# Altium PCB WiCAN.PcbDoc
Units mil, origin at the board's own origin, x right, y up, seen from the top; angles counter-clockwise.
Board outline 1338.58 x 1771.65 mil, 4 copper layers (Top Layer, GND, Power, Bottom Layer), stack 61.811 mil thick; 45 components, 34 nets, 199 pads, 82 vias.
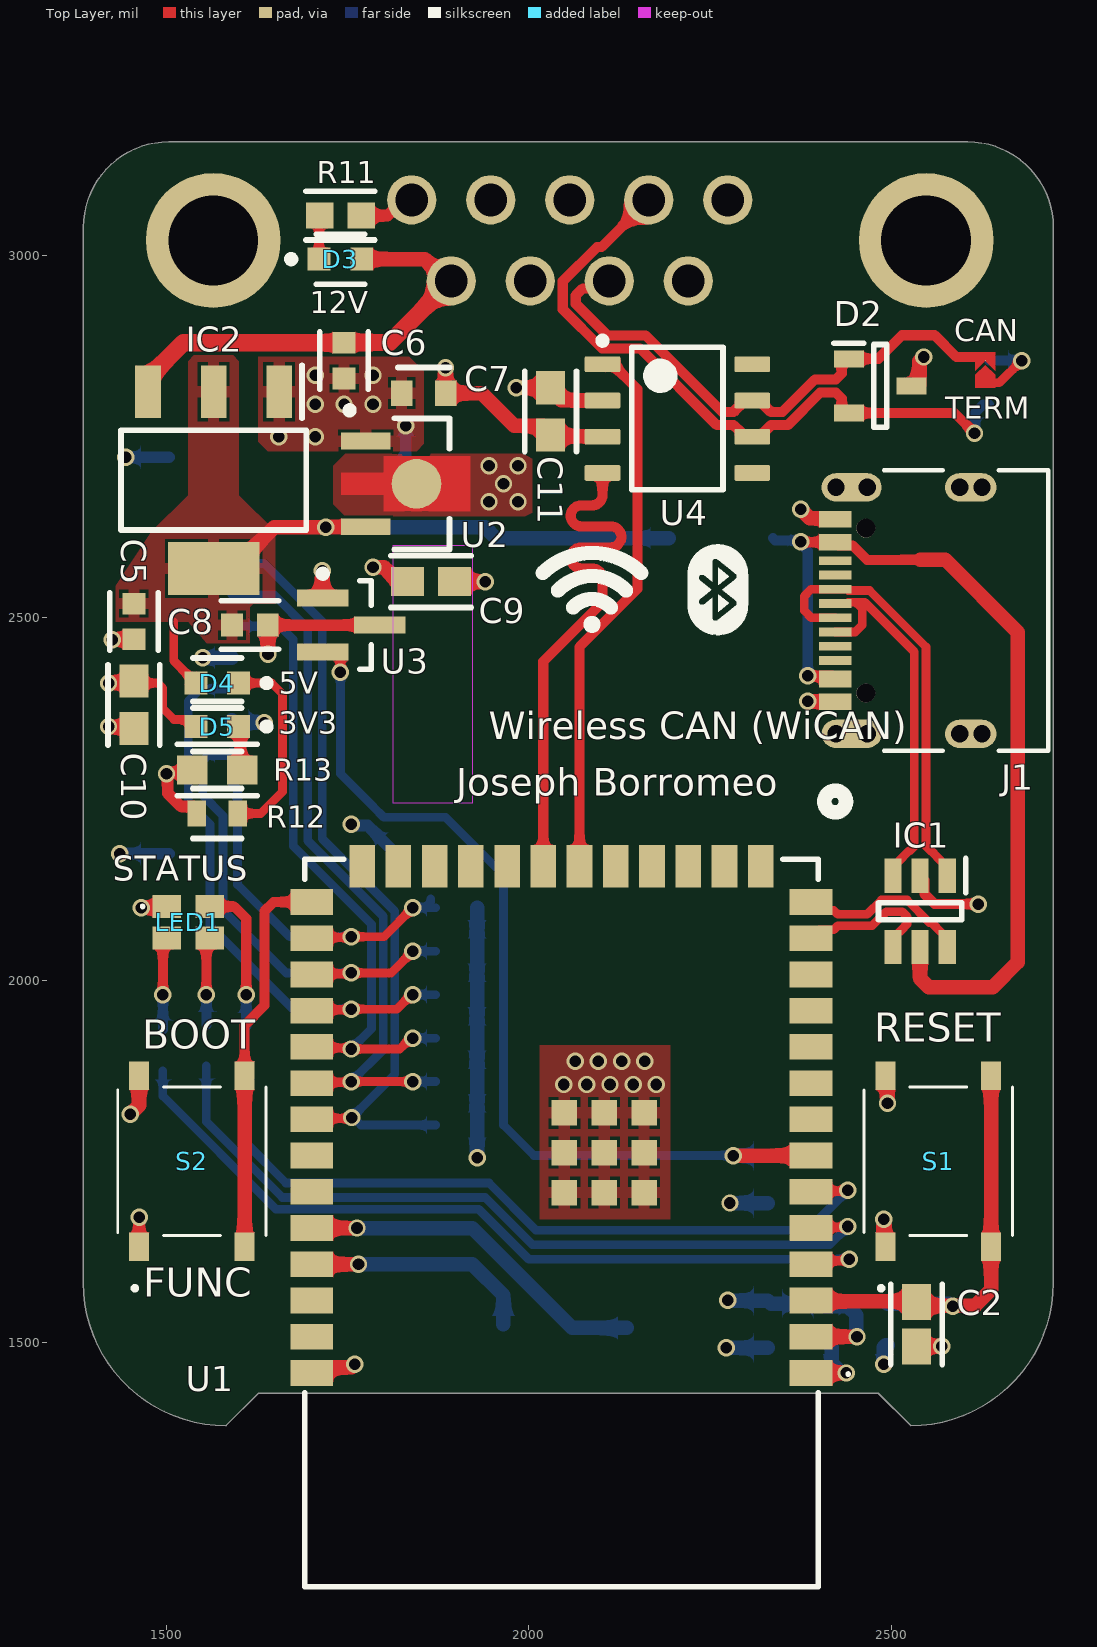
[diagram p0: Top Layer view]
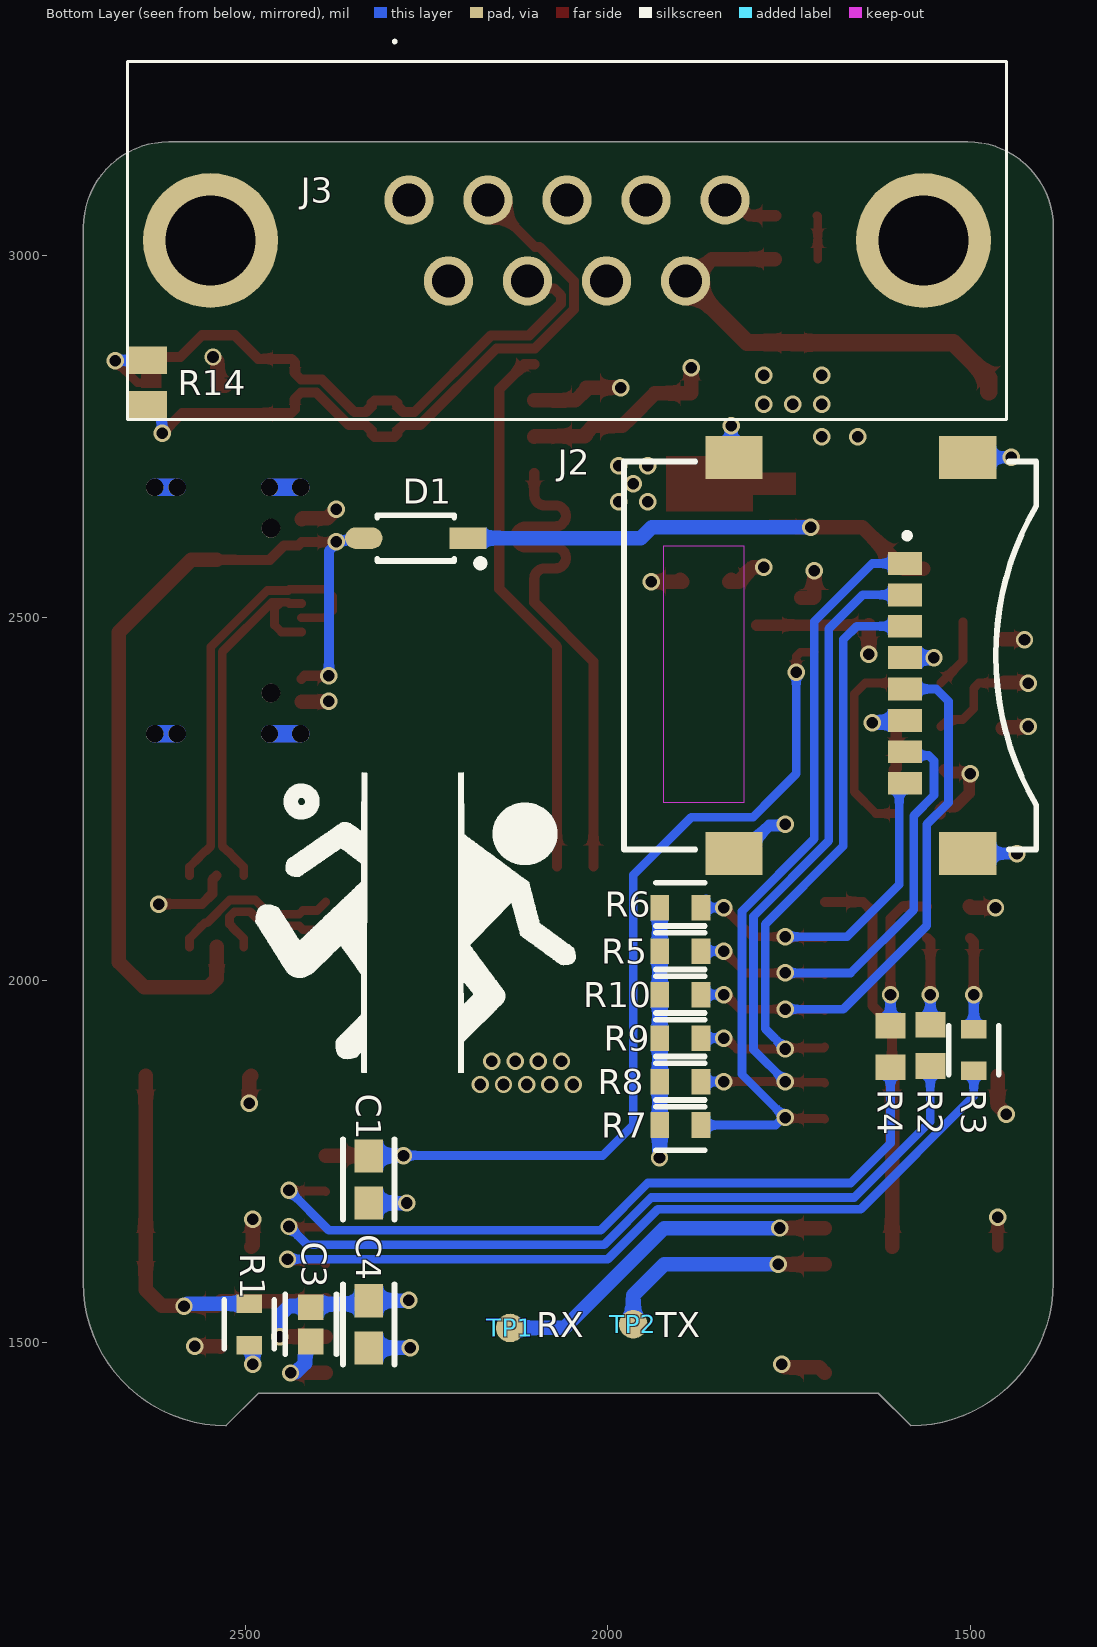
[diagram p1: Bottom Layer view, seen from below]
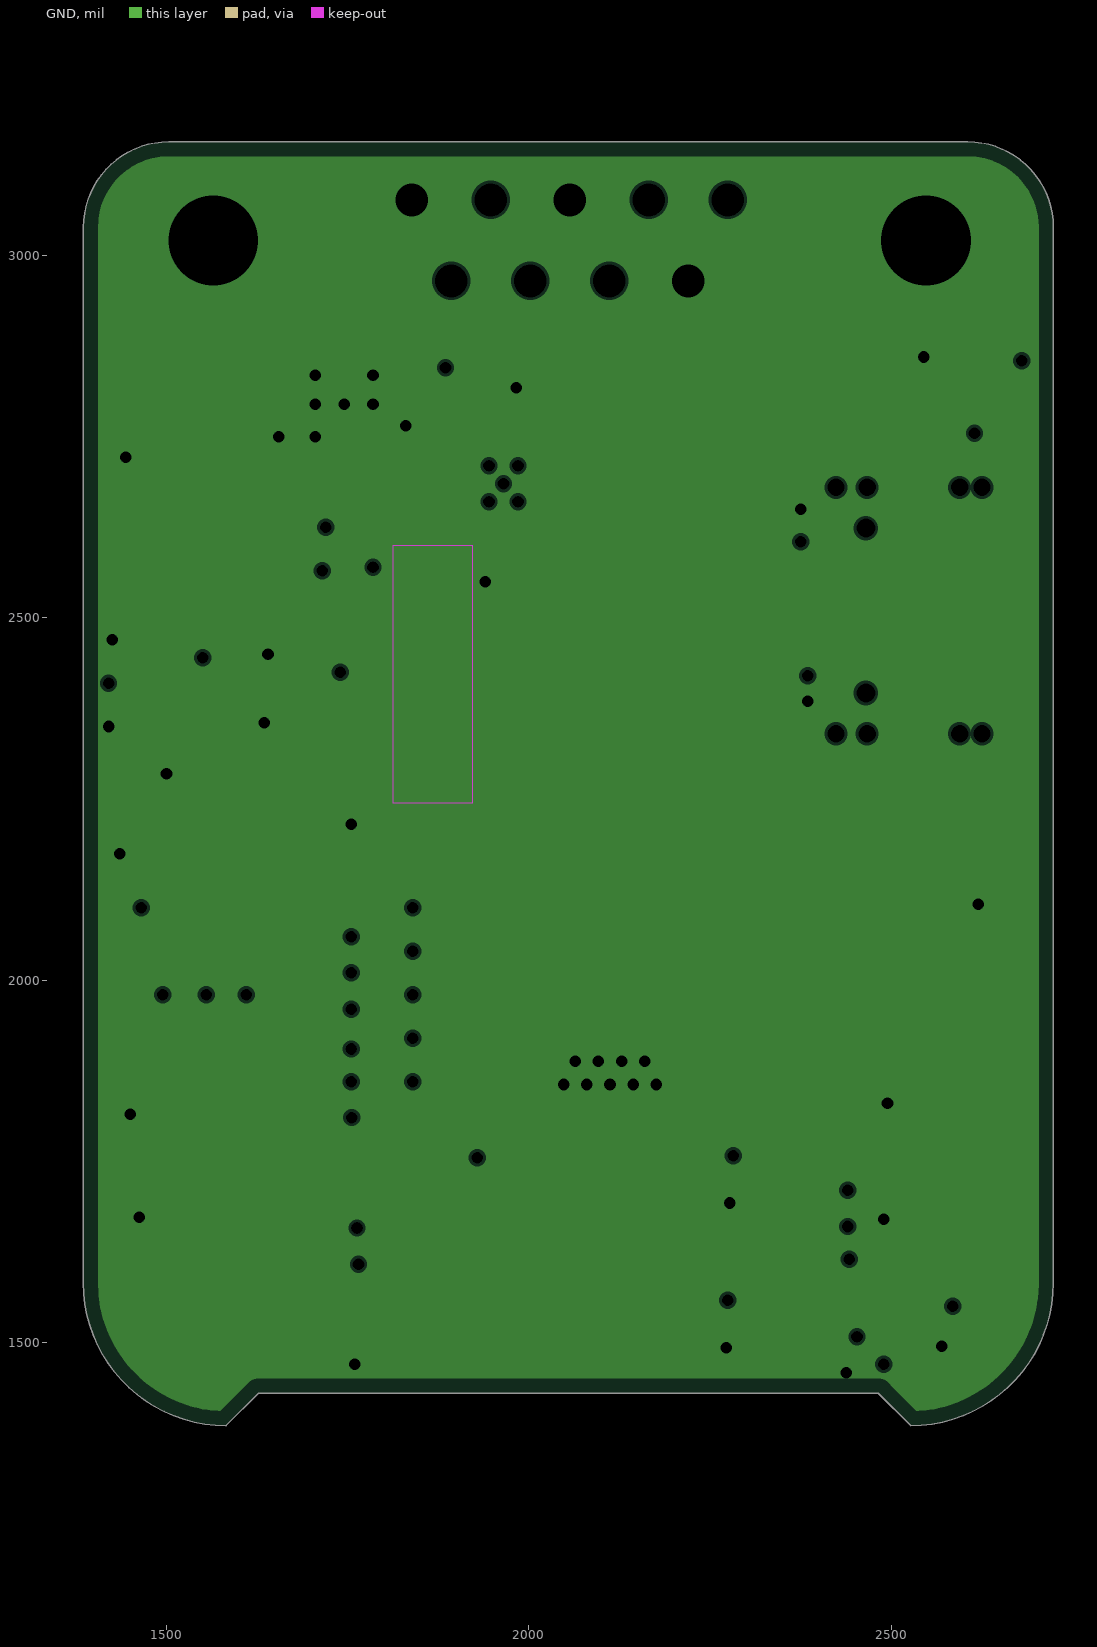
[diagram p2: GND, clearances drawn from the general rule]
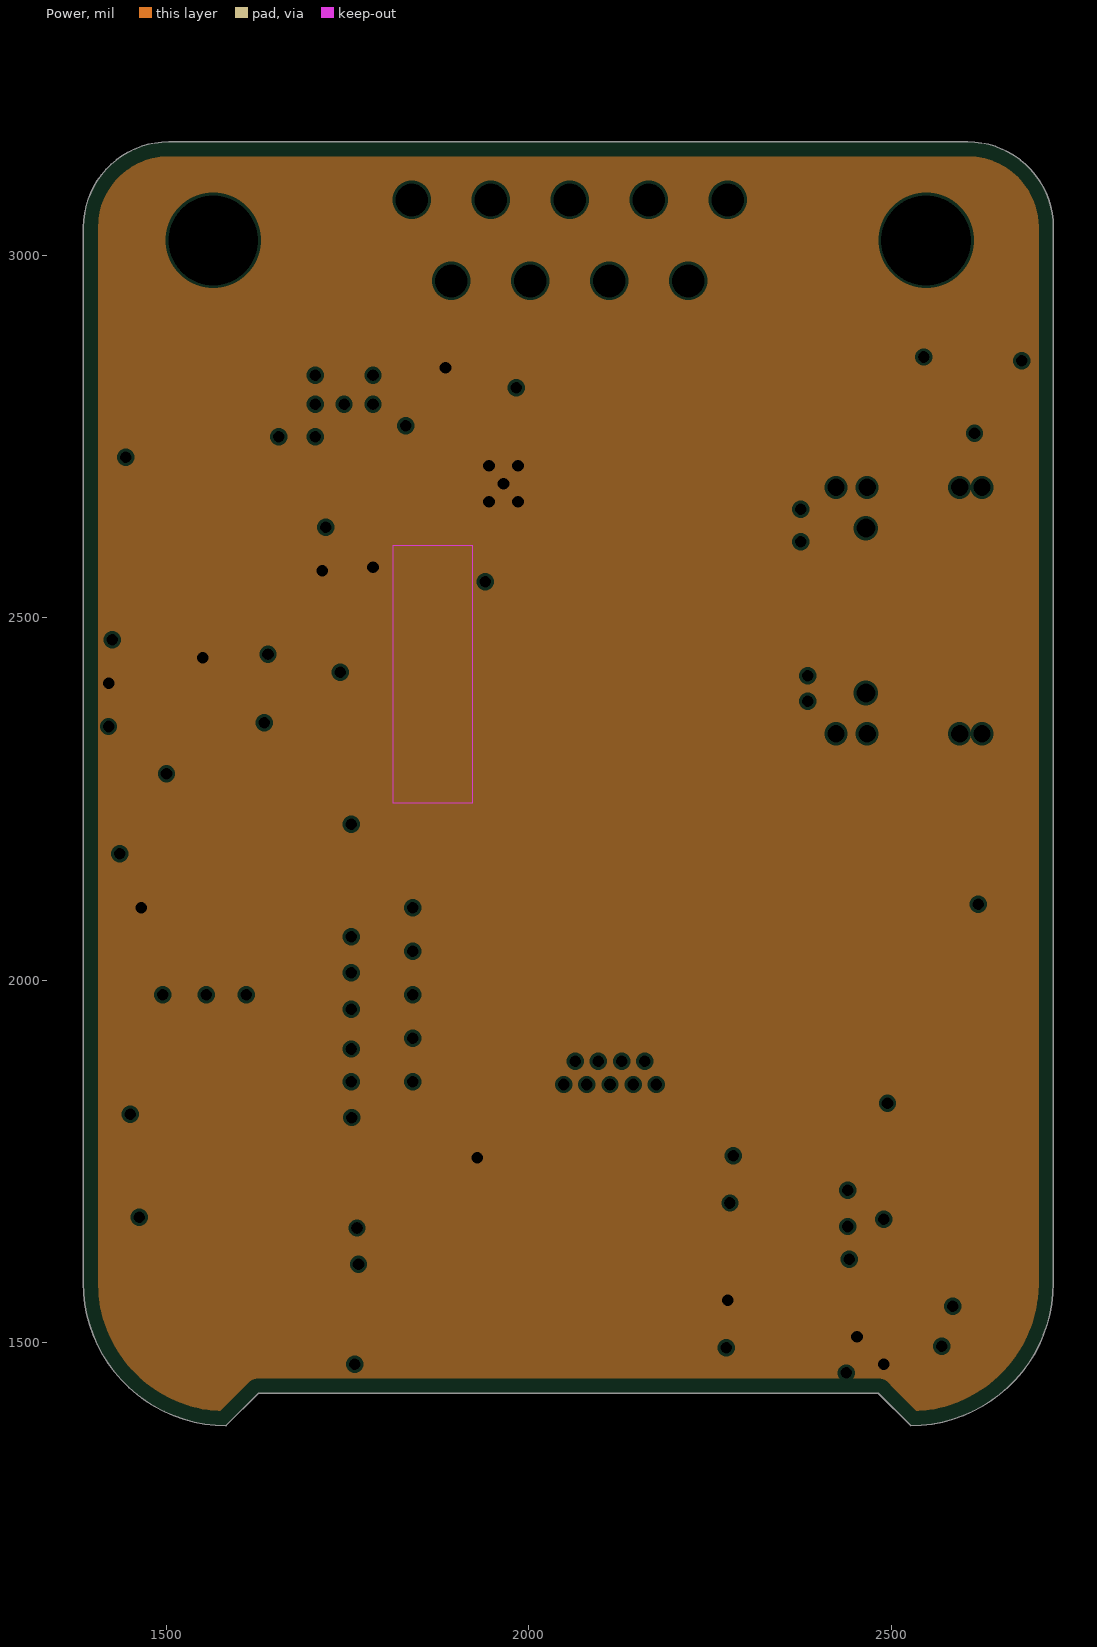
[diagram p3: Power, clearances drawn from the general rule]
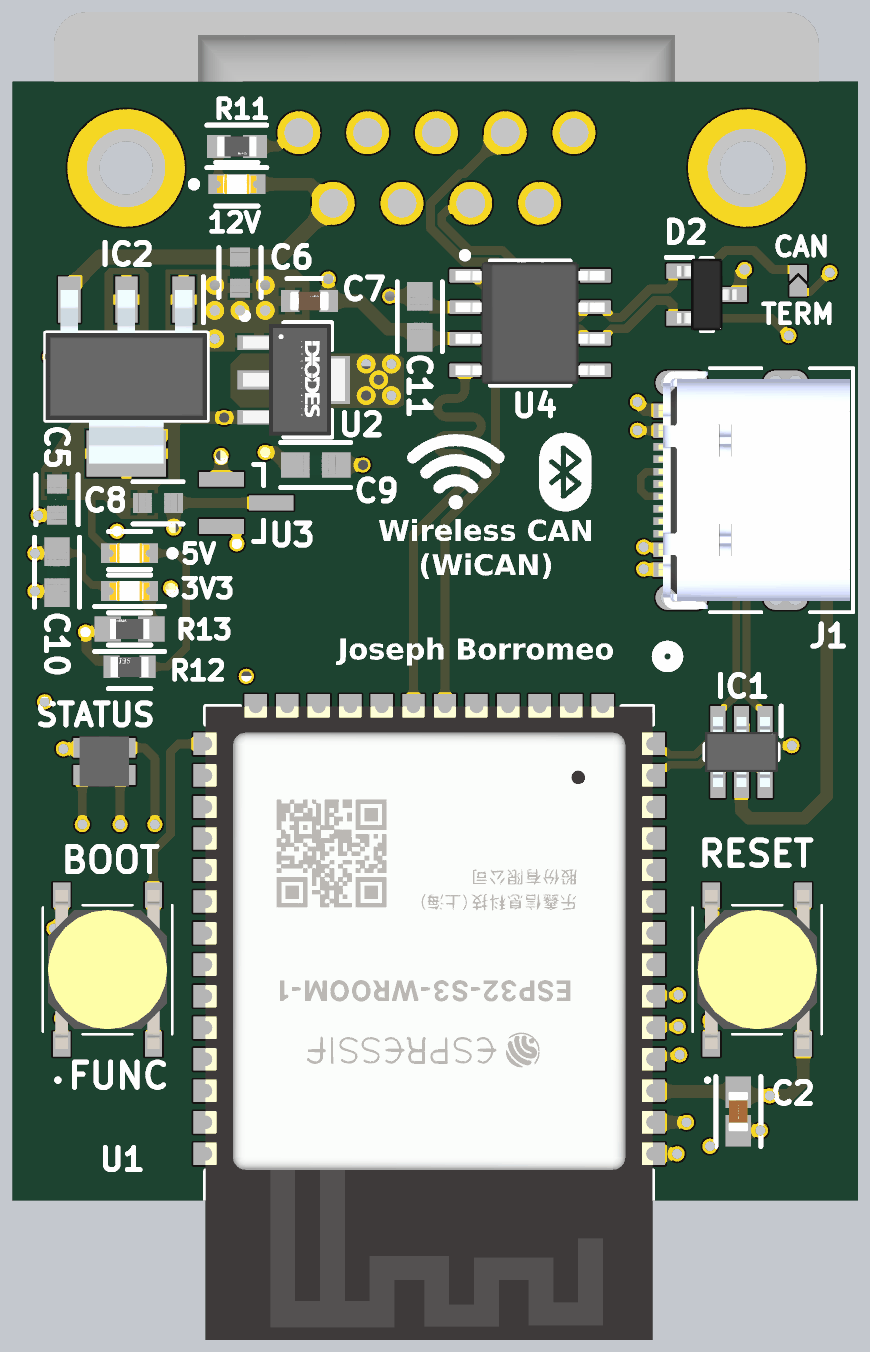
[diagram p4: 3D render of the assembled board from above, using the file's embedded part models]
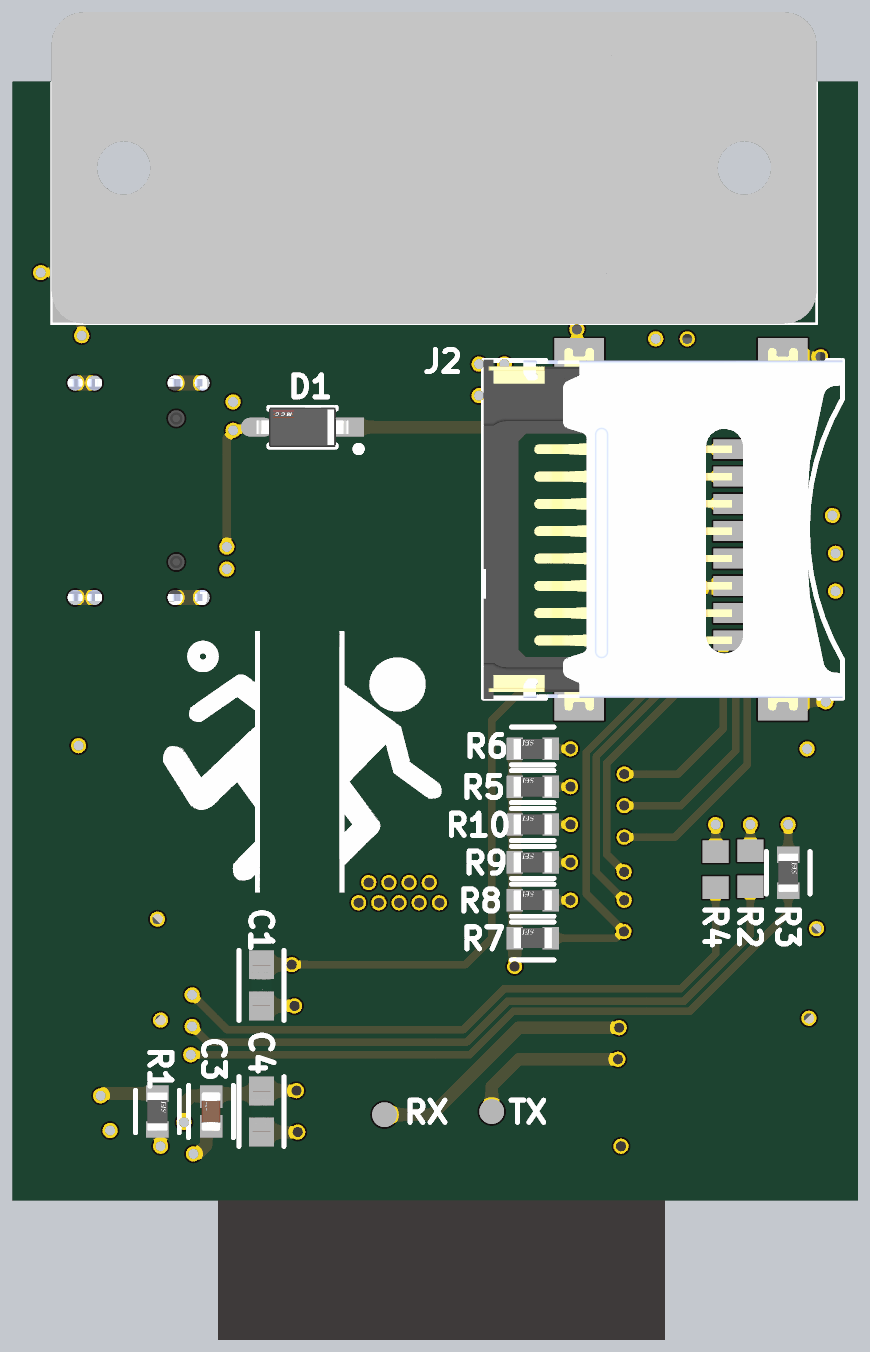
[diagram p5: 3D render of the assembled board from below, using the file's embedded part models]

## Layer stack, top to bottom
Top Solder: solder mask 0.5, Solder Resist, Dk 3.8
Top Layer: signal copper 1.378
Dielectric 1: prepreg 3.937, 2313, Dk 4.05
GND: plane copper 0.689, net GND
Core: core 49.8031, FR-4, Dk 4.5
Power: plane copper 0.689, net VCC
Dielectric 2: prepreg 3.937, 2313, Dk 4.05
Bottom Layer: signal copper 1.378
Bottom Solder: solder mask 0.5, Solder Resist, Dk 3.8

## Board outline
1582.1,1385.25 cw(c1582.1,1582.1) 1385.25,1582.1 1385.25,3038.79 cw(c1503.36,3038.79) 1503.36,3156.9 2605.72,3156.9 cw(c2605.72,3038.79) 2723.83,3038.79 2723.83,1582.1 cw(c2526.98,1582.1) 2526.98,1385.25 2482.23,1430 1626.85,1430

## Design rules (kind name [scope] priority, off if disabled: settings)
BoardOutlineClearance [All] p1: gap=7.87 ignorepadtopadclearanceinfootprint=FALSE
Clearance [All] p1: gap=4 ignorepadtopadclearanceinfootprint=FALSE except(5: Arc-Via Track-Via SMDPad-Via THPad-Via Via-Via Via-Fill Via-Poly Via-Region Via-Text; 9.84: Arc-Hole Track-Hole SMDPad-Hole THPad-Hole Via-Hole Fill-Hole Poly-Hole Region-Hole Text-Hole)
ComponentClearance [All] p1: gap=4 collisioncheckmode=3 verticalgap=4 showdistances=TRUE
DiffPairsRouting [All] p1: maxlimit=4 minlimit=4 mostfreqgap=4 toplayer_minwidth=4 toplayer_maxwidth=71497.94 toplayer_prefwidth=4 bottomlayer_minwidth=4 bottomlayer_maxwidth=71497.94 bottomlayer_prefwidth=4 maxuncoupledlength=500
Height [All] p1: minheight=0 maxheight=71497.94 prefheight=500
HoleSize [All] p1: absolutevalues=TRUE maxlimit=248.03 minlimit=7.87 maxpercent=80.000 minpercent=20.000
HoleToHoleClearance [All] p1: gap=9.84 allowstackedmicrovias=FALSE
MinimumAnnularRing [All] p1: minimumring=3
MinimumSolderMaskSliver [All] p1: minsoldermaskwidth=0
PlaneClearance [All] p1: clearance=4
PlaneConnect PlaneConnectPowerPads [InPadClass('PowerPads')] p1: planeconnectstyle=Direct reliefexpansion=20 reliefentries=4 reliefconductorwidth=10 reliefairgap=10
PlaneConnect [All] p2: pad.planeconnectstyle=Relief pad.reliefexpansion=11.81 pad.reliefentries=4 pad.reliefconductorwidth=4 pad.reliefairgap=4 via.planeconnectstyle=Direct via.reliefexpansion=11.81 via.reliefentries=4 via.reliefconductorwidth=5 via.reliefairgap=5
PolygonConnect PolygonConnectPowerPads [All vs (InPadClass('PowerPads'))] p1: connectstyle=Direct reliefconductorwidth=10 reliefentries=4 polygonreliefangle="90 Angle" airgapwidth=10
PolygonConnect [All] p2: thpad.connectstyle=Relief thpad.reliefconductorwidth=16 thpad.reliefentries=4 thpad.polygonreliefangle="90 Angle" thpad.airgapwidth=4 smdpad.connectstyle=Relief smdpad.reliefconductorwidth=16 smdpad.reliefentries=4 smdpad.polygonreliefangle="90 Angle" smdpad.airgapwidth=4 via.connectstyle=Direct via.reliefconductorwidth=5 via.reliefentries=4 via.polygonreliefangle="90 Angle" via.airgapwidth=5
RoutingVias [All] p1: holewidth=7.87 width=17.72 viastyle="Through Hole" minholewidth=7.87 minwidth=17.72 maxholewidth=248.03 maxwidth=257.87
SilkToSilkClearance [All] p1: silktosilkclearance=0
SilkToSolderMaskClearance [IsPad] p1: minsilkscreentomaskgap=4 clearancetoexposedcopper=TRUE
SolderMaskExpansion [All] p1: expansion=2.95 istentingtop=FALSE
Width [All] p1: maxlimit=71497.94 minlimit=4 preferedwidth=4
20 further rules are at their usual default settings.

## Classes and differential pairs
differential pair D: +D_P -D_N
differential pair D_ESD: +D_ESD_P -D_ESD_N
differential pair CAN: +CAN_P -CAN_N

## Components (designator, comment, footprint, x,y, rotation, side; value= is the part's Value field where it differs from the comment)
C1 "CL10B104KB8WPNC" FP-CL10-IPC_A 2330,1725 r90 bottom
C2 "UMK107BJ105KA-T" FP-0603-L_1_6_0_1-W_0_8_0-IPC_A 2535,1525 r270 top
C3 "GRM188R61A226ME15D" FP-GRM188-0_2-IPC_C 2410,1525 r90 bottom
C4 "CL10B104KB8WPNC" FP-CL10-IPC_A 2330,1525 r90 bottom
C5 "CL10A106MQ8NNNC" FP-CL10-IPC_C 1455,2495 r90 top
C6 "CL10A106MQ8NNNC" FP-CL10-IPC_C 1745,2855 r270 top
C7 "GRM188R60G226MEA0D" FP-GRM188-0_2-MFG 1855,2810 r0 top
C8 "CL10A106MQ8NNNC" FP-CL10-IPC_C 1615,2490 r180 top
C9 "CL10A105KO8NNNC" FP-CL10-IPC_A 1865,2550 r180 top
C10 "CL10B104KB8WPNC" FP-CL10-IPC_A 1455,2380 r90 top
C11 "CL10B104KB8WPNC" FP-CL10-IPC_A 2030,2785 r270 top
D1 "MBRX120LF-TP" FP-SOD-123-IPC_A 2265,2610 r0 bottom
D2 "PESD2CANFD24U-TR" SOT95P230X110-3N 2485,2820 r0 top
D3 "12V" FP-LTST-C190KGKT-MFG 1740,2995 r0 top
D4 "5V" FP-LTST-C190KGKT-MFG 1570,2410 r180 top
D5 "3V3" FP-LTST-C190KGKT-MFG 1570,2350 r180 top
IC1 "USBLC6-2SC6" SOT95P280X145-6N 2540,2095 r270 top
IC2 "AZ1117IH-5.0TRG1" SOT230P700X170-4N 1565,2690 r270 top
J1 "USB4105-GF-A" USB4105_GCT 2560,2510 r90 top
J2 "MEM2067-02-180-00-A_REVB" GCT_MEM2067-02-180-00-A_REVB 1693.35,2448.03 r90 bottom
J3 "A-DS_09_PP_Z" ADS09PPZ 2274.53,3076.81 r180 bottom
LED1 "STATUS" CLMVCFKACL1D1L71BB7C3C3 1530,2080 r180 top
R1 "RMCF0603JG10K0" FP-RMCF0603-MFG 2495,1525 r90 bottom
R2 "ERJ-3GEYJ620V" RESC1608X55X30ML15T15 1555,1910 r270 bottom
R3 "RMCF0603FT280R" FP-RMCF0603-MFG 1495,1903.54 r90 bottom
R4 "ERJ-3GEYJ620V" RESC1608X55X30ML15T15 1610,1908.54 r270 bottom
R5 "RMCF0603JG10K0" FP-RMCF0603-MFG 1900,2040 r0 bottom
R6 "RMCF0603JG10K0" FP-RMCF0603-MFG 1900,2100 r0 bottom
R7 "RMCF0603JG10K0" FP-RMCF0603-MFG 1900,1800 r0 bottom
R8 "RMCF0603JG10K0" FP-RMCF0603-MFG 1900,1860 r0 bottom
R9 "RMCF0603JG10K0" FP-RMCF0603-MFG 1900,1920 r0 bottom
R10 "RMCF0603JG10K0" FP-RMCF0603-MFG 1900,1980 r0 bottom
R11 "ESR03EZPJ751" FP-ESR03-IPC_B 1740,3055 r180 top
R12 "RMCF0603FT280R" FP-RMCF0603-MFG 1570,2230 r180 top
R13 "AC0603FR-10100RL" FP-AC0603-IPC_A 1570,2290 r180 top
R14 "ERJ-P06J121V" RESC2013X70X40LL20T20 2635,2825 r270 bottom
S1 "RESET" PTS526SKG15SMTR2LFS 2565,1750 r90 top
S2 "BOOT" PTS526SKG15SMTR2LFS 1535,1750 r90 top
TERM "Solder Jumper" "Solder Jumper" 2630,2840 r270 top (schematic designator JMP1)
TP1 "RX" TESTPOINT_CIRCLE_1MM 2135,1520 r180 bottom
TP2 "TX" TESTPOINT_CIRCLE_1MM 1965,1525 r180 bottom
U1 "ESP32-S3-WROOM-1-N4" ESP32S3WROOM1N4 2045,1665 r180 top
U2 "AZ1117CR-3.3TRG1" FP-SOT89-MFG 1839.25,2685 r270 top
U3 "MCP9700T-E/TT" SOT-23-TT3_M 1755,2490 r0 top
U4 "SN65HVD232D" D0008A_L 2205,2775 r0 top
